# Altium PCB PCB信仰尺V1.0.pcbdoc (part 5 of 6)
Units mil, origin at the board's own origin, x right, y up, seen from the top; angles counter-clockwise.
Board outline 13501.75 x 10176.26 mil, 2 copper layers (Top Layer, Bottom Layer); 258 components, 187 nets, 2051 pads, 0 vias.
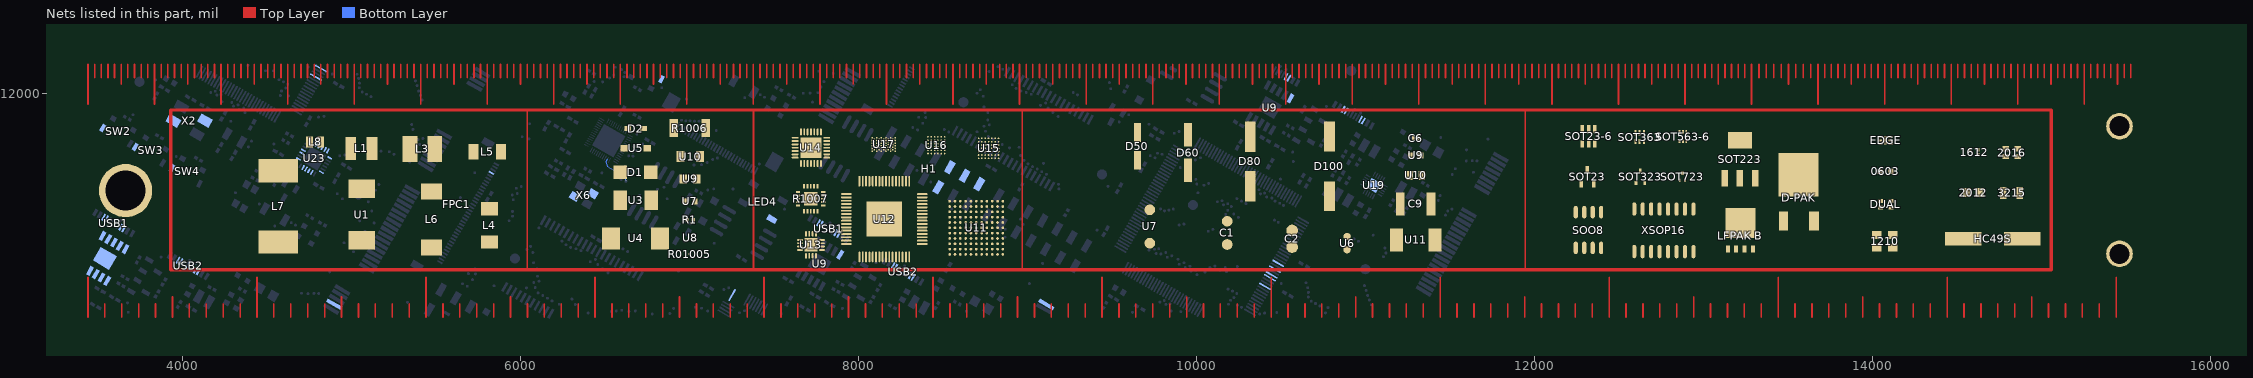
[diagram p5: the nets of this part, all layers, seen from the top]

## Nets (pads, with @x,y where several pads share a name; then routed paths per layer and width w, separated by ;. In a path a pad name is that pad's centre, name@x,y a point inside that pad or via, vN(x,y) a via of type N, cw(c..) or ccw(c..) an arc to the next point about the centre after c; other vN are vias at no path point) (continued)
"": 0603.1 0603.2 1210.1 1210.2 1210.3 1210.4 1612.2 1612.3 1612.4 2012.1 2012.2 2016.1 2016.2 2016.3 2016.4 3215.1 3215.2 "LFPAK B.1" "LFPAK B.2" "LFPAK B.3" "LFPAK B.4" "LFPAK B.5" C1.1@10182.16,11241.76 C1.2@10182.16,11103.96 C2.1@10566.49,11187.11 C2.2@10566.49,11088.69 C6.1@11283.74,11733.86 C6.2@11311.74,11733.86 C9.1@11206.5,11344.11 C9.2@11388.98,11344.11 D1.1@6590.66,11531.86 D1.2@6771.76,11531.86 D2.1 D2.2 D50.1 D50.2 D60.1 D60.2 D80.1 D80.2 D100.1 D100.2 D-PAK.1 D-PAK.3 D-PAK.4 DUAL.1 DUAL.2 DUAL.3 DUAL.4 EDGE.1 EDGE.2 EDGE.3 EDGE.4 EDGE.5 EDGE.6 EDGE.7 FPC1.32 H1.9 H1.10 H1.11 H1.13 HC49S.1 HC49S.2 L1.1@4996.76,11672.5 L1.2@5122.74,11672.5 L3.1@5346.87,11669.41 L3.2@5493.91,11669.41 L4.1 L4.2 L5.1 L5.2 L6.1 L6.2 L7.1 L7.2 L8.1 L8.2 LED4.2 pad.2@3453.49,10948.18 pad.3@3487.59,10928.49 pad.3@6835.97,12081.86 pad.4@3521.68,10908.81 pad.5@3555.78,10889.12 pad.6@3664.04,11076.65 pad.7@3629.95,11096.33 pad.8@3595.85,11116.02 pad.9@3561.76,11135.7 pad.10@3527.66,11155.39 pad.11@3541.72,11022.25 pad.13@4790.8,12094.35 pad.13@10405.84,10856.24 pad.16@4820.33,12145.5 pad.16@10435.37,10907.38 pad.17@3664.75,11422.86 pad.17@10445.21,10924.43 pad.17@15461.75,11048.86 pad.17@15461.75,11803.86 pad.19@4898.48,10750.86 pad.19@9112.48,10748.86 pad.19@10464.9,10958.52 pad.21@10484.58,10992.62 pad.138@7253.39,10804.86 pad.A5 pad.A8 pad.B5 pad.B8 R1.1@6986.91,11249.86 R1.2@7020.99,11249.86 R01005.1 R01005.2 R1006.1 R1006.2 R1007.1 R1007.2 R1007.3 R1007.4 R1007.5 R1007.6 R1007.7 R1007.8 R1007.9 R1007.10 R1007.11 R1007.12 R1007.13 R1007.14 R1007.15 R1007.16 R1007.17 R1007.18 R1007.19 R1007.20 R1007.21 SOO8.1 SOO8.2 SOO8.3 SOO8.4 SOO8.5 SOO8.6 SOO8.7 SOO8.8 SOT23-6.1 SOT23-6.2 SOT23-6.3 SOT23-6.4 SOT23-6.5 SOT23-6.6 SOT23.1 SOT23.2 SOT23.3 SOT223.1 SOT223.2 SOT223.3 SOT223.4 SOT323.1 SOT323.2 SOT323.3 SOT363.1 SOT363.2 SOT363.3 SOT363.4 SOT363.5 SOT363.6 SOT563-6.1 SOT563-6.2 SOT563-6.3 SOT563-6.4 SOT563-6.5 SOT563-6.6 SOT723.1 SOT723.2 SOT723.3 SW2.3 SW3.3 SW4.3 U1.1 U1.2 U3.1 U3.2 U4.1@6537.42,11139.7 U4.2 U5.1@6614.24,11673.86 U5.2 U6.1 U6.2 U7.1 U7.2 U8.1 U8.2 U9.1@6964.83,11492.33 U9.1@11326.29,11630.9 U9.2@7043.57,11492.33 U9.2@11269.2,11630.9 U9.5 U10.1 U10.2 U11.1 U11.2 U11.A1 U11.A2 U11.A3 U11.A4 U11.A5 U11.A6 U11.A7 U11.A8 U11.A9 U11.A10 U11.A11 U11.B1 U11.B2 U11.B3 U11.B4 U11.B5 U11.B6 U11.B7 U11.B8 U11.B9 U11.B10 U11.B11 U11.C1 U11.C2 U11.C3 U11.C4 U11.C5 U11.C6 U11.C7 U11.C8 U11.C9 U11.C10 U11.C11 U11.D1 U11.D2 U11.D3 U11.D4 U11.D5 U11.D6 U11.D7 U11.D8 U11.D9 U11.D10 U11.D11 U11.E1 U11.E2 U11.E3 U11.E4 U11.E5 U11.E6 U11.E7 U11.E8 U11.E9 U11.E10 U11.E11 U11.F1 U11.F2 U11.F3 U11.F4 U11.F5 U11.F6 U11.F7 U11.F8 U11.F9 U11.F10 U11.F11 U11.G1 U11.G2 U11.G3 U11.G4 U11.G5 U11.G6 U11.G7 U11.G8 U11.G9 U11.G10 U11.G11 U11.H1 U11.H2 U11.H3 U11.H4 U11.H5 U11.H6 U11.H7 U11.H8 U11.H9 U11.H10 U11.H11 U11.J1 U11.J2 U11.J3 U11.J4 U11.J5 U11.J6 U11.J7 U11.J8 U11.J9 U11.J10 U11.J11 U11.K1 U11.K2 U11.K3 U11.K4 U11.K5 U11.K6 U11.K7 U11.K8 U11.K9 U11.K10 U11.K11 U11.L1 U11.L2 U11.L3 U11.L4 U11.L5 U11.L6 U11.L7 U11.L8 U11.L9 U11.L10 U11.L11 U12.1 U12.2 U12.3 U12.4 U12.5 U12.6 U12.7 U12.8 U12.9 U12.10 U12.11 U12.12 U12.13 U12.14 U12.15 U12.16 U12.17 U12.18 U12.19 U12.20 U12.21 U12.22 U12.23 U12.24 U12.25 U12.26 U12.27 U12.28 U12.29 U12.30 U12.31 U12.32 U12.33 U12.34 U12.35 U12.36 U12.37 U12.38 U12.39 U12.40 U12.41 U12.42 U12.43 U12.44 U12.45 U12.46 U12.47 U12.48 U12.49 U12.50 U12.51 U12.52 U12.53 U12.54 U12.55 U12.56 U12.57 U12.58 U12.59 U12.60 U12.61 U12.62 U12.63 U12.64 U12.65 U13.1 U13.2 U13.3 U13.4 U13.5 U13.6 U13.7 U13.8 U13.9 U13.10 U13.11 U13.12 U13.13 U13.14 U13.15 U13.16 U13.17 U14.1 U14.2 U14.3 U14.4 U14.5 U14.6 U14.7 U14.8 U14.9 U14.10 U14.11 U14.12 U14.13 U14.14 U14.15 U14.16 U14.17 U14.18 U14.19 U14.20 U14.21 U14.22 U14.23 U14.24 U14.25 U14.26 U14.27 U14.28 U14.29 U15.A1 U15.A2 U15.A3 U15.A4 U15.A5 U15.A6 U15.A7 U15.B1 U15.B2 U15.B3 U15.B4 U15.B5 U15.B6 U15.B7 U15.C1 U15.C2 U15.C3 U15.C4 U15.C5 U15.C6 U15.C7 U15.D1 U15.D2 U15.D3 U15.D5 U15.D6 U15.D7 U15.E1 U15.E2 U15.E3 U15.E4 U15.E5 U15.E6 U15.E7 U15.F1 U15.F2 U15.F3 U15.F4 U15.F5 U15.F6 U15.F7 U15.G1 U15.G2 U15.G3 U15.G4 U15.G5 U15.G6 U15.G7 U16.A1 U16.A2 U16.A3 U16.A4 U16.A5 U16.A6 U16.B1 U16.B2 U16.B3 U16.B4 U16.B5 U16.B6 U16.C1 U16.C2 U16.C3 U16.C4 U16.C5 U16.C6 U16.D1 U16.D2 U16.D3 U16.D4 U16.D5 U16.D6 U16.E1 U16.E2 U16.E3 U16.E4 U16.E5 U16.E6 U16.F1 U16.F2 U16.F3 U16.F4 U16.F5 U16.F6 U17.A1 U17.A3 U17.A5 U17.A7 U17.A9 U17.A11 U17.B2 U17.B4 U17.B6 U17.B8 U17.B10 U17.C1 U17.C3 U17.C5 U17.C7 U17.C9 U17.C11 U17.D2 U17.D4 U17.D6 U17.D8 U17.D10 U17.E1 U17.E3 U17.E5 U17.E7 U17.E9 U17.E11 U17.F2 U17.F4 U17.F6 U17.F8 U17.F10 U17.G1 U17.G3 U17.G5 U17.G7 U17.G9 U17.G11 U17.H2 U17.H4 U17.H6 U17.H8 U17.H10 U17.J1 U17.J3 U17.J5 U17.J7 U17.J9 U17.J11 U17.K2 U17.K4 U17.K6 U17.K8 U17.K10 U17.L1 U17.L3 U17.L5 U17.L7 U17.L9 U17.L11 U19.21 U23.2 U23.3 U23.4 U23.5 U23.6 U23.7 U23.12 U23.14 U23.15 U23.16 U23.17 U23.19 U23.21 U23.22 USB1.A5 USB1.A8 USB1.B5 USB1.B8 USB2.A5 USB2.A8 USB2.B5 USB2.B8 X2.2 X2.4 X6.2 X6.4 XSOP16.1 XSOP16.2 XSOP16.3 XSOP16.4 XSOP16.5 XSOP16.6 XSOP16.7 XSOP16.8 XSOP16.9 XSOP16.10 XSOP16.11 XSOP16.12 XSOP16.13 XSOP16.14 XSOP16.15 XSOP16.16 | length 70436.5
  Top Layer w10: 3442.12,10674.79 3442.12,10911.01 ; 3442.12,11934.64 3442.12,12170.86 ; 3481.49,12092.12 3481.49,12170.86 ; 3520.86,12092.12 3520.86,12170.86 ; 3542.12,10674.79 3542.12,10753.53 ; 3560.23,12092.12 3560.23,12170.86 ; 3599.6,12092.12 3599.6,12170.86 ; 3638.97,12052.75 3638.97,12170.86 ; 3642.12,10674.79 3642.12,10753.53 ; 3678.34,12092.12 3678.34,12170.86 ; 3717.71,12092.12 3717.71,12170.86 ; 3742.12,10674.79 3742.12,10753.53 ; 3757.08,12092.12 3757.08,12170.86 ; 3796.45,12092.12 3796.45,12170.86 ; 3835.82,11934.64 3835.82,12170.86 ; 3842.13,10674.79 3842.13,10753.53 ; 3875.19,12092.12 3875.19,12170.86 ; 3914.56,12092.12 3914.56,12170.86 ; 3942.13,10674.79 3942.13,10792.9 ; 3953.93,12092.12 3953.93,12170.86 ; 3993.3,12092.12 3993.3,12170.86 ; 4032.67,12052.75 4032.67,12170.86 ; 4042.13,10674.79 4042.13,10753.53 ; 4072.04,12092.12 4072.04,12170.86 ; 4111.41,12092.12 4111.41,12170.86 ; 4142.14,10674.79 4142.14,10753.53 ; 4150.78,12092.12 4150.78,12170.86 ; 4190.15,12092.12 4190.15,12170.86 ; 4229.52,11934.64 4229.52,12170.86 ; 4242.14,10674.79 4242.14,10753.53 ; 4268.89,12092.12 4268.89,12170.86 ; 4308.26,12092.12 4308.26,12170.86 ; 4342.14,10674.79 4342.14,10753.53 ; 4347.63,12092.12 4347.63,12170.86 ; 4387,12092.12 4387,12170.86 ; 4426.37,12052.75 4426.37,12170.86 ; 4442.15,10674.79 4442.15,10911.01 ; 4465.74,12092.12 4465.74,12170.86 ; 4505.11,12092.12 4505.11,12170.86 ; 4542.15,10674.79 4542.15,10753.53 ; 4544.48,12092.12 4544.48,12170.86 ; 4583.85,12092.12 4583.85,12170.86 ; 4623.22,11934.64 4623.22,12170.86 ; 4642.15,10674.79 4642.15,10753.53 ; 4662.59,12092.12 4662.59,12170.86 ; 4701.96,12092.12 4701.96,12170.86 ; 4741.33,12092.12 4741.33,12170.86 ; 4742.15,10674.79 4742.15,10753.53 ; 4780.7,12092.12 4780.7,12170.86 ; 4820.07,12052.75 4820.07,12170.86 ; 4842.15,10674.79 4842.15,10753.53 ; 4859.44,12092.12 4859.44,12170.86 ; 4898.81,12092.12 4898.81,12170.86 ; 4938.18,12092.12 4938.18,12170.86 ; 4942.15,10674.79 4942.15,10792.9 ; 4977.55,12092.12 4977.55,12170.86 ; 5016.92,11934.64 5016.92,12170.86 ; 5042.15,10674.79 5042.15,10753.53 ; 5056.29,12092.12 5056.29,12170.86 ; 5095.66,12092.12 5095.66,12170.86 ; 5135.03,12092.12 5135.03,12170.86 ; 5142.15,10674.79 5142.15,10753.53 ; 5174.4,12092.12 5174.4,12170.86 ; 5213.77,12052.75 5213.77,12170.86 ; 5242.15,10674.79 5242.15,10753.53 ; 5253.14,12092.12 5253.14,12170.86 ; 5292.51,12092.12 5292.51,12170.86 ; 5331.88,12092.12 5331.88,12170.86 ; 5342.15,10674.79 5342.15,10753.53 ; 5371.25,12092.12 5371.25,12170.86 ; 5410.62,11934.64 5410.62,12170.86 ; 5442.15,10674.79 5442.15,10911.01 ; 5449.99,12092.12 5449.99,12170.86 ; 5489.36,12092.12 5489.36,12170.86 ; 5528.73,12092.12 5528.73,12170.86 ; 5542.15,10674.79 5542.15,10753.53 ; 5568.1,12092.12 5568.1,12170.86 ; 5607.47,12052.75 5607.47,12170.86 ; 5642.15,10674.79 5642.15,10753.53 ; 5646.84,12092.12 5646.84,12170.86 ; 5686.21,12092.12 5686.21,12170.86 ; 5725.58,12092.12 5725.58,12170.86 ; 5742.15,10674.79 5742.15,10753.53 ; 5764.95,12092.12 5764.95,12170.86 ; 5804.32,11934.64 5804.32,12170.86 ; 5842.15,10674.79 5842.15,10753.53 ; 5843.69,12092.12 5843.69,12170.86 ; 5883.06,12092.12 5883.06,12170.86 ; 5922.43,12092.12 5922.43,12170.86 ; 5942.15,10674.79 5942.15,10792.9 ; 5961.8,12092.12 5961.8,12170.86 ; 6001.17,12052.75 6001.17,12170.86 ; 6040.54,12092.12 6040.54,12170.86 ; 6041.22,10957.15 6041.22,11902.03 ; 6042.15,10674.79 6042.15,10753.53 ; 6079.91,12092.12 6079.91,12170.86 ; 6119.28,12092.12 6119.28,12170.86 ; 6142.15,10674.79 6142.15,10753.53 ; 6158.65,12092.12 6158.65,12170.86 ; 6198.02,11934.64 6198.02,12170.86 ; 6237.39,12092.12 6237.39,12170.86 ; 6242.15,10674.79 6242.15,10753.53 ; 6276.76,12092.12 6276.76,12170.86 ; 6316.13,12092.12 6316.13,12170.86 ; 6342.15,10674.79 6342.15,10753.53 ; 6355.5,12092.12 6355.5,12170.86 ; 6394.87,12052.75 6394.87,12170.86 ; 6434.24,12092.12 6434.24,12170.86 ; 6442.15,10674.79 6442.15,10911.01 ; 6473.61,12092.12 6473.61,12170.86 ; 6512.98,12092.12 6512.98,12170.86 ; 6542.15,10674.79 6542.15,10753.53 ; 6552.35,12092.12 6552.35,12170.86 ; 6591.72,11934.64 6591.72,12170.86 ; 6631.09,12092.12 6631.09,12170.86 ; 6642.15,10674.79 6642.15,10753.53 ; 6670.46,12092.12 6670.46,12170.86 ; 6709.83,12092.12 6709.83,12170.86 ; 6742.15,10674.79 6742.15,10753.53 ; 6749.2,12092.12 6749.2,12170.86 ; 6788.57,12052.75 6788.57,12170.86 ; 6827.94,12092.12 6827.94,12170.86 ; 6842.15,10674.79 6842.15,10753.53 ; 6867.31,12092.12 6867.31,12170.86 ; 6906.68,12092.12 6906.68,12170.86 ; 6942.15,10674.79 6942.15,10792.9 ; 6946.05,12092.12 6946.05,12170.86 ; 6985.42,11934.64 6985.42,12170.86 ; 7024.79,12092.12 7024.79,12170.86 ; 7042.15,10674.79 7042.15,10753.53 ; 7064.16,12092.12 7064.16,12170.86 ; 7103.53,12092.12 7103.53,12170.86 ; 7142.15,10674.79 7142.15,10753.53 ; 7142.9,12092.12 7142.9,12170.86 ; 7182.27,12052.75 7182.27,12170.86 ; 7221.64,12092.12 7221.64,12170.86 ; 7242.15,10674.79 7242.15,10753.53 ; 7261.01,12092.12 7261.01,12170.86 ; 7300.38,12092.12 7300.38,12170.86 ; 7339.75,12092.12 7339.75,12170.86 ; 7342.15,10674.79 7342.15,10753.53 ; 7379.12,11934.64 7379.12,12170.86 ; 7380.22,10949.77 7380.22,11894.65 ; 7418.49,12092.12 7418.49,12170.86 ; 7442.15,10674.79 7442.15,10911.01 ; 7457.86,12092.12 7457.86,12170.86 ; 7497.23,12092.12 7497.23,12170.86 ; 7536.6,12092.12 7536.6,12170.86 ; 7542.15,10674.79 7542.15,10753.53 ; 7575.97,12052.75 7575.97,12170.86 ; 7615.34,12092.12 7615.34,12170.86 ; 7642.15,10674.79 7642.15,10753.53 ; 7654.71,12092.12 7654.71,12170.86 ; 7694.08,12092.12 7694.08,12170.86 ; 7733.45,12092.12 7733.45,12170.86 ; 7742.15,10674.79 7742.15,10753.53 ; 7772.82,11934.64 7772.82,12170.86 ; 7812.19,12092.12 7812.19,12170.86 ; 7842.15,10674.79 7842.15,10753.53 ; 7851.56,12092.12 7851.56,12170.86 ; 7890.93,12092.12 7890.93,12170.86 ; 7930.3,12092.12 7930.3,12170.86 ; 7942.15,10674.79 7942.15,10792.9 ; 7969.67,12052.75 7969.67,12170.86 ; 8009.04,12092.12 8009.04,12170.86 ; 8042.15,10674.79 8042.15,10753.53 ; 8048.41,12092.12 8048.41,12170.86 ; 8087.78,12092.12 8087.78,12170.86 ; 8127.15,12092.12 8127.15,12170.86 ; 8142.15,10674.79 8142.15,10753.53 ; 8166.52,11934.64 8166.52,12170.86 ; 8205.89,12092.12 8205.89,12170.86 ; 8242.15,10674.79 8242.15,10753.53 ; 8245.26,12092.12 8245.26,12170.86 ; 8284.64,12092.12 8284.64,12170.86 ; 8324,12092.12 8324,12170.86 ; 8342.15,10674.79 8342.15,10753.53 ; 8363.38,12052.75 8363.38,12170.86 ; 8402.75,12092.12 8402.75,12170.86 ; 8442.12,12092.12 8442.12,12170.86 ; 8442.15,10674.79 8442.15,10911.01 ; 8481.49,12092.12 8481.49,12170.86 ; 8520.86,12092.12 8520.86,12170.86 ; 8542.15,10674.79 8542.15,10753.53 ; 8560.23,11934.64 8560.23,12170.86 ; 8599.6,12092.12 8599.6,12170.86 ; 8638.97,12092.12 8638.97,12170.86 ; 8642.15,10674.79 8642.15,10753.53 ; 8678.34,12092.12 8678.34,12170.86 ; 8717.71,12092.12 8717.71,12170.86 ; 8742.15,10674.79 8742.15,10753.53 ; 8757.08,12052.75 8757.08,12170.86 ; 8796.45,12092.12 8796.45,12170.86 ; 8835.82,12092.12 8835.82,12170.86 ; 8842.15,10674.79 8842.15,10753.53 ; 8875.19,12092.12 8875.19,12170.86 ; 8914.56,12092.12 8914.56,12170.86 ; 8942.15,10674.79 8942.15,10792.9 ; 8953.93,11934.64 8953.93,12170.86 ; 8966.7,10950.98 8968.91,10953.19 8968.91,11895.86 ; 8993.3,12092.12 8993.3,12170.86 ; 9032.67,12092.12 9032.67,12170.86 ; 9042.15,10674.79 9042.15,10753.53 ; 9072.04,12092.12 9072.04,12170.86 ; 9111.41,12092.12 9111.41,12170.86 ; 9142.15,10674.79 9142.15,10753.53 ; 9150.78,12052.75 9150.78,12170.86 ; 9190.15,12092.12 9190.15,12170.86 ; 9229.52,12092.12 9229.52,12170.86 ; 9242.15,10674.79 9242.15,10753.53 ; 9268.89,12092.12 9268.89,12170.86 ; 9308.26,12092.12 9308.26,12170.86 ; 9342.15,10674.79 9342.15,10753.53 ; 9347.63,11934.64 9347.63,12170.86 ; 9387,12092.12 9387,12170.86 ; 9426.37,12092.12 9426.37,12170.86 ; 9442.15,10674.79 9442.15,10911.01 ; 9465.74,12092.12 9465.74,12170.86 ; 9505.11,12092.12 9505.11,12170.86 ; 9542.15,10674.79 9542.15,10753.53 ; 9544.48,12052.75 9544.48,12170.86 ; 9583.85,12092.12 9583.85,12170.86 ; 9623.22,12092.12 9623.22,12170.86 ; 9642.15,10674.79 9642.15,10753.53 ; 9662.59,12092.12 9662.59,12170.86 ; 9701.96,12092.12 9701.96,12170.86 ; 9741.33,11934.64 9741.33,12170.86 ; 9742.15,10674.79 9742.15,10753.53 ; 9780.7,12092.12 9780.7,12170.86 ; 9820.07,12092.12 9820.07,12170.86 ; 9842.15,10674.79 9842.15,10753.53 ; 9859.44,12092.12 9859.44,12170.86 ; 9898.81,12092.12 9898.81,12170.86 ; 9938.18,12052.75 9938.18,12170.86 ; 9942.15,10674.79 9942.15,10792.9 ; 9977.55,12092.12 9977.55,12170.86 ; 10016.92,12092.12 10016.92,12170.86 ; 10042.15,10674.79 10042.15,10753.53 ; 10056.29,12092.12 10056.29,12170.86 ; 10095.66,12092.12 10095.66,12170.86 ; 10135.03,11934.64 10135.03,12170.86 ; 10142.15,10674.79 10142.15,10753.53 ; 10174.4,12092.12 10174.4,12170.86 ; 10213.77,12092.12 10213.77,12170.86 ; 10242.15,10674.79 10242.15,10753.53 ; 10253.14,12092.12 10253.14,12170.86 ; 10292.51,12092.12 10292.51,12170.86 ; 10331.88,12052.75 10331.88,12170.86 ; 10342.15,10674.79 10342.15,10753.53 ; 10371.25,12092.12 10371.25,12170.86 ; 10410.62,12092.12 10410.62,12170.86 ; 10442.15,10674.79 10442.15,10911.01 ; 10449.99,12092.12 10449.99,12170.86 ; 10489.36,12092.12 10489.36,12170.86 ; 10528.73,11934.64 10528.73,12170.86 ; 10542.15,10674.79 10542.15,10753.53 ; 10568.1,12092.12 10568.1,12170.86 ; 10607.47,12092.12 10607.47,12170.86 ; 10642.15,10674.79 10642.15,10753.53 ; 10646.84,12092.12 10646.84,12170.86 ; 10686.21,12092.12 10686.21,12170.86 ; 10725.58,12052.75 10725.58,12170.86 ; 10742.15,10674.79 10742.15,10753.53 ; 10764.95,12092.12 10764.95,12170.86 ; 10804.32,12092.12 10804.32,12170.86 ; 10842.15,10674.79 10842.15,10753.53 ; 10843.69,12092.12 10843.69,12170.86 ; 10883.06,12092.12 10883.06,12170.86 ; 10922.43,11934.64 10922.43,12170.86 ; 10942.15,10674.79 10942.15,10792.9 ; 10961.8,12092.12 10961.8,12170.86 ; 11001.17,12092.12 11001.17,12170.86 ; 11040.54,12092.12 11040.54,12170.86 ; 11042.15,10674.79 11042.15,10753.53 ; 11079.91,12092.12 11079.91,12170.86 ; 11119.28,12052.75 11119.28,12170.86 ; 11142.15,10674.79 11142.15,10753.53 ; 11158.65,12092.12 11158.65,12170.86 ; 11198.02,12092.12 11198.02,12170.86 ; 11237.39,12092.12 11237.39,12170.86 ; 11242.15,10674.79 11242.15,10753.53 ; 11276.76,12092.12 11276.76,12170.86 ; 11316.13,11934.64 11316.13,12170.86 ; 11342.15,10674.79 11342.15,10753.53 ; 11355.5,12092.12 11355.5,12170.86 ; 11394.87,12092.12 11394.87,12170.86 ; 11434.24,12092.12 11434.24,12170.86 ; 11442.15,10674.79 11442.15,10911.01 ; 11473.61,12092.12 11473.61,12170.86 ; 11512.98,12052.75 11512.98,12170.86 ; 11542.15,10674.79 11542.15,10753.53 ; 11552.35,12092.12 11552.35,12170.86 ; 11591.72,12092.12 11591.72,12170.86 ; 11631.09,12092.12 11631.09,12170.86 ; 11642.15,10674.79 11642.15,10753.53 ; 11670.46,12092.12 11670.46,12170.86 ; 11709.83,11934.64 11709.83,12170.86 ; 11742.15,10674.79 11742.15,10753.53 ; 11749.2,12092.12 11749.2,12170.86 ; 11788.57,12092.12 11788.57,12170.86 ; 11827.94,12092.12 11827.94,12170.86 ; 11842.15,10674.79 11842.15,10753.53 ; 11867.31,12092.12 11867.31,12170.86 ; 11906.68,12052.75 11906.68,12170.86 ; 11942.15,10674.79 11942.15,10792.9 ; 11945.67,10959.19 11945.67,11898.02 11946.5,11898.86 ; 11946.05,12092.12 11946.05,12170.86 ; 11985.42,12092.12 11985.42,12170.86 ; 12024.79,12092.12 12024.79,12170.86 ; 12042.15,10674.79 12042.15,10753.53 ; 12064.16,12092.12 12064.16,12170.86 ; 12103.53,11934.64 12103.53,12170.86 ; 12142.15,10674.79 12142.15,10753.53 ; 12142.9,12092.12 12142.9,12170.86 ; 12182.27,12092.12 12182.27,12170.86 ; 12221.64,12092.12 12221.64,12170.86 ; 12242.15,10674.79 12242.15,10753.53 ; 12261.01,12092.12 12261.01,12170.86 ; 12300.38,12052.75 12300.38,12170.86 ; 12339.75,12092.12 12339.75,12170.86 ; 12342.15,10674.79 12342.15,10753.53 ; 12379.12,12092.12 12379.12,12170.86 ; 12418.49,12092.12 12418.49,12170.86 ; 12442.15,10674.79 12442.15,10911.01 ; 12457.86,12092.12 12457.86,12170.86 ; 12497.23,11934.64 12497.23,12170.86 ; 12536.6,12092.12 12536.6,12170.86 ; 12542.15,10674.79 12542.15,10753.53 ; 12575.97,12092.12 12575.97,12170.86 ; 12615.34,12092.12 12615.34,12170.86 ; 12642.15,10674.79 12642.15,10753.53 ; 12654.71,12092.12 12654.71,12170.86 ; 12694.08,12052.75 12694.08,12170.86 ; 12733.45,12092.12 12733.45,12170.86 ; 12742.15,10674.79 12742.15,10753.53 ; 12772.82,12092.12 12772.82,12170.86 ; 12812.19,12092.12 12812.19,12170.86 ; 12842.15,10674.79 12842.15,10753.53 ; 12851.56,12092.12 12851.56,12170.86 ; 12890.93,11934.64 12890.93,12170.86 ; 12930.3,12092.12 12930.3,12170.86 ; 12942.15,10674.79 12942.15,10792.9 ; 12969.67,12092.12 12969.67,12170.86 ; 13009.04,12092.12 13009.04,12170.86 ; 13042.15,10674.79 13042.15,10753.53 ; 13048.41,12092.12 13048.41,12170.86 ; 13087.78,12052.75 13087.78,12170.86 ; 13127.15,12092.12 13127.15,12170.86 ; 13142.15,10674.79 13142.15,10753.53 ; 13166.52,12092.12 13166.52,12170.86 ; 13205.89,12092.12 13205.89,12170.86 ; 13242.15,10674.79 13242.15,10753.53 ; 13245.26,12092.12 13245.26,12170.86 ; 13284.64,11934.64 13284.64,12170.86 ; 13328.38,12092.12 13328.38,12170.86 ; 13342.15,10674.79 13342.15,10753.53 ; 13372.12,12092.12 13372.12,12170.86 ; 13415.87,12092.12 13415.87,12170.86 ; 13442.15,10674.79 13442.15,10911.01 ; 13459.61,12092.12 13459.61,12170.86 ; 13503.36,12052.75 13503.36,12170.86 ; 13542.15,10674.79 13542.15,10753.53 ; 13547.1,12092.12 13547.1,12170.86 ; 13590.85,12092.12 13590.85,12170.86 ; 13634.59,12092.12 13634.59,12170.86 ; 13642.15,10674.79 13642.15,10753.53 ; 13678.34,11934.64 13678.34,12170.86 ; 13717.71,12092.12 13717.71,12170.86 ; 13742.15,10674.79 13742.15,10753.53 ; 13757.08,12092.12 13757.08,12170.86 ; 13796.45,12092.12 13796.45,12170.86 ; 13835.82,12092.12 13835.82,12170.86 ; 13842.15,10674.79 13842.15,10753.53 ; 13875.19,12052.75 13875.19,12170.86 ; 13914.56,12092.12 13914.56,12170.86 ; 13942.15,10674.79 13942.15,10792.9 ; 13953.93,12092.12 13953.93,12170.86 ; 13993.3,12092.12 13993.3,12170.86 ; 14032.67,12092.12 14032.67,12170.86 ; 14042.15,10674.79 14042.15,10753.53 ; 14072.04,11934.64 14072.04,12170.86 ; 14111.41,12092.12 14111.41,12170.86 ; 14142.15,10674.79 14142.15,10753.53 ; 14150.78,12092.12 14150.78,12170.86 ; 14190.15,12092.12 14190.15,12170.86 ; 14229.52,12092.12 14229.52,12170.86 ; 14242.15,10674.79 14242.15,10753.53 ; 14268.89,12052.75 14268.89,12170.86 ; 14308.26,12092.12 14308.26,12170.86 ; 14342.15,10674.79 14342.15,10753.53 ; 14347.63,12092.12 14347.63,12170.86 ; 14387,12092.12 14387,12170.86 ; 14426.37,12092.12 14426.37,12170.86 ; 14442.15,10674.79 14442.15,10911.01 ; 14465.74,11934.64 14465.74,12170.86 ; 14505.11,12092.12 14505.11,12170.86 ; 14542.15,10674.79 14542.15,10753.53 ; 14544.48,12092.12 14544.48,12170.86 ; 14583.85,12092.12 14583.85,12170.86 ; 14623.22,12092.12 14623.22,12170.86 ; 14642.15,10674.79 14642.15,10753.53 ; 14662.59,12052.75 14662.59,12170.86 ; 14701.96,12092.12 14701.96,12170.86 ; 14741.33,12092.12 14741.33,12170.86 ; 14742.15,10674.79 14742.15,10753.53 ; 14780.7,12092.12 14780.7,12170.86 ; 14820.07,12092.12 14820.07,12170.86 ; 14842.15,10674.79 14842.15,10753.53 ; 14859.44,11934.64 14859.44,12170.86 ; 14898.81,12092.12 14898.81,12170.86 ; 14938.18,12092.12 14938.18,12170.86 ; 14942.15,10674.79 14942.15,10792.9 ; 14977.55,12092.12 14977.55,12170.86 ; 15016.92,12092.12 15016.92,12170.86 ; 15042.15,10674.79 15042.15,10753.53 ; 15056.29,12052.75 15056.29,12170.86 ; 15095.66,12092.12 15095.66,12170.86 ; 15135.03,12092.12 15135.03,12170.86 ; 15142.15,10674.79 15142.15,10753.53 ; 15174.4,12092.12 15174.4,12170.86 ; 15213.77,12092.12 15213.77,12170.86 ; 15242.15,10674.79 15242.15,10753.53 ; 15253.14,11934.64 15253.14,12170.86 ; 15292.51,12092.12 15292.51,12170.86 ; 15331.88,12092.12 15331.88,12170.86 ; 15342.15,10674.79 15342.15,10753.53 ; 15371.25,12092.12 15371.25,12170.86 ; 15410.62,12092.12 15410.62,12170.86 ; 15442.15,10674.75 15442.15,10910.97 ; 15449.99,12052.75 15449.99,12170.86 ; 15489.36,12092.12 15489.36,12170.86 ; 15528.73,12092.12 15528.73,12170.86
  Top Layer w19.68: 3931.73,10955.05 15058.5,10955.05 15058.5,11899.93 3931.73,11899.93 3931.73,10955.05
  Bottom Layer w5.98: 6515.46,11608.49 6506.72,11593.34 6513.82,11566.81 6616.89,11507.31 6624.86,11477.59

## Polygon pours and split planes (outlines as drawn)
GND on Bottom Layer (solid, remove dead copper, pour order 0): 3369.65,10626.64 10996.29,10626.64 10996.29,12268.57 3369.65,12268.57
GND on Bottom Layer (solid, remove dead copper, pour order 1): 10213.19,11134.06 11805.04,11134.06 11805.04,11746.66 10213.19,11746.66

## Keep-outs
Bottom Layer:
  region net "": 5673.54,11765.53 6249.07,11765.53 6249.07,12100.01 5673.54,12100.01
  region net "": 5399.62,11956.15 5347.01,11986.52 5258.61,11962.84 5244.97,12013.74 5248.66,12020.14 5255.81,12032.52 5315.89,12048.61 5345.18,12056.46 5368.51,12042.99 5371.75,12040.86 5399.75,11955.86
  region net "": 4935.28,11187.18 4951.17,11127.86 4954.22,11126.1 4962.48,11128.31 4965.58,11133.67 4951.55,11186.04 4949.04,11187.49 4945.04,11189.8
  region net "": 7651.32,12072.07 7667.22,12012.74 7670.27,12010.98 7678.53,12013.2 7681.62,12018.56 7667.59,12070.93 7665.08,12072.38 7661.08,12074.69
Board Outline Layer:
  lines w10 net "": 3402.75,10714.12 ccw(c3442.12,10714.12) 3442.12,10674.75 15961.8,10674.75 ccw(c15961.8,10714.12) 16001.17,10714.12 16001.17,12131.44 ccw(c15961.8,12131.44) 15961.8,12170.81 3442.12,12170.81 ccw(c3442.12,12131.44) 3402.75,12131.44 3402.75,10714.12

## Other copper
Top Layer:
  region net "": 15762.72,11047.22 15998.94,11047.22 15998.94,11086.59 15762.72,11086.59
  region net "": 15762.72,11211.31 15998.94,11211.31 15998.94,11250.68 15762.72,11250.68
  region net "": 15762.72,11156.62 15998.94,11156.62 15998.94,11195.99 15762.72,11195.99
  region net "": 15762.72,11101.92 15998.94,11101.92 15998.94,11141.29 15762.72,11141.29
  region net "": 15762.72,10992.52 15998.94,10992.52 15998.94,11031.89 15762.72,11031.89
  region net "": 15762.72,10937.82 15998.94,10937.82 15998.94,10977.19 15762.72,10977.19
  region net "": 15762.72,10883.12 15998.94,10883.12 15998.94,10922.49 15762.72,10922.49
  region net "": 15762.72,12086.49 15998.94,12086.49 15998.94,12125.86 15762.72,12125.86
  region net "": 15762.72,12031.79 15998.94,12031.79 15998.94,12071.16 15762.72,12071.16
  region net "": 15762.72,11977.09 15998.94,11977.09 15998.94,12016.46 15762.72,12016.46
  region net "": 15762.72,11758.3 15998.94,11758.3 15998.94,11797.67 15762.72,11797.67
  region net "": 15762.72,11922.39 15998.94,11922.39 15998.94,11961.76 15762.72,11961.76
  region net "": 15762.72,11867.69 15998.94,11867.69 15998.94,11907.06 15762.72,11907.06
  region net "": 15762.72,11813 15998.94,11813 15998.94,11852.37 15762.72,11852.37
  region net "": 15762.72,10719.03 15998.94,10719.03 15998.94,10758.4 15762.72,10758.4
  region net "": 15762.72,10773.73 15998.94,10773.73 15998.94,10813.1 15762.72,10813.1
  region net "": 15762.72,10828.43 15998.94,10828.43 15998.94,10867.8 15762.72,10867.8
  region net "": 15762.72,11703.6 15998.94,11703.6 15998.94,11742.97 15762.72,11742.97
  region net "": 15762.72,11648.9 15998.94,11648.9 15998.94,11688.27 15762.72,11688.27
  region net "": 15762.72,11594.2 15998.94,11594.2 15998.94,11633.57 15762.72,11633.57
  region net "": 15762.72,11539.5 15998.94,11539.5 15998.94,11578.87 15762.72,11578.87
  region net "": 15762.72,11484.81 15998.94,11484.81 15998.94,11524.18 15762.72,11524.18
  region net "": 15762.72,11430.11 15998.94,11430.11 15998.94,11469.48 15762.72,11469.48
  region net "": 15762.72,11375.41 15998.94,11375.41 15998.94,11414.78 15762.72,11414.78
  region net "": 15762.72,11320.71 15998.94,11320.71 15998.94,11360.08 15762.72,11360.08
  region net "": 15762.72,11266.01 15998.94,11266.01 15998.94,11305.38 15762.72,11305.38
Bottom Layer:
  region net 3V3: 3472.63,12112.7 3568.87,12112.7 3568.87,12130.98 3472.63,12130.98
  region net 3V3: 3520.86,12102.87 3574.11,12102.87 3574.11,12111.01 3520.86,12111.01
  region net VDDA: 3831.17,11994.82 3929.65,11994.82 3929.65,12092.94 3831.17,12092.94
  region net VCC3.3M: 4885.6,12054.64 4948,12054.64 4948,12096.66 4885.6,12096.66
  region net RESET: 6964.34,11256.9 7116.74,11256.9 7116.74,11283.8 6964.34,11283.8
  region net VCC3.3M: 7290.22,10979.96 7351.24,10979.96 7351.24,11011.79 7290.22,11011.79
  region net VCC3.3M: 7533.96,10758.23 7594.91,10758.23 7594.91,10759.95 7533.96,10759.95
  region net 5V-OUT: 7690.4,10790.02 7745.73,10790.02 7745.73,10814.35 7690.4,10814.35
  region net 2.8V: 8227.11,10748.59 8344.6,10748.59 8344.6,10775.32 8227.11,10775.32
  region net GPIO0: 6689.02,11845.82 6744.52,11845.82 6744.52,11851.5 6689.02,11851.5
  region net 3V3: 5423.47,10692.78 5569.98,10692.78 5569.98,10863 5423.47,10863
  region net VCC3.3M: 3497.41,10691.93 3503.46,10691.93 3503.46,10747.43 3497.41,10747.43
  region net 5V-OUT: 3460.4,10823.02 3515.73,10823.02 3515.73,10847.35 3460.4,10847.35
  region net 2.8V: 3997.11,10781.59 4114.6,10781.59 4114.6,10808.32 3997.11,10808.32
  region net VDDA: 9446.21,10756.7 9544.69,10756.7 9544.69,10854.83 9446.21,10854.83
  region net RESET: 9544.42,11960.9 9689.74,11960.9 9689.74,12000.06 9544.42,12000.06
  region net VCC3.3M: 9954.22,11904.96 10015.24,11904.96 10015.24,11936.79 9954.22,11936.79
  region net VCC3.3M: 10389.09,11566.47 10444.59,11566.47 10444.59,11572.52 10389.09,11572.52
  region net VCC3.3M: 10197.96,11683.23 10258.91,11683.23 10258.91,11684.95 10197.96,11684.95
  region net 5V-OUT: 10354.4,11715.02 10409.73,11715.02 10409.73,11739.35 10354.4,11739.35
  region net VCC3.3M: 10583.91,10994.98 10639.58,10994.98 10639.58,11000.84 10583.91,11000.84
  region net 1.2V: 10760.25,11421.63 10875.71,11421.63 10875.71,11443.06 10760.25,11443.06
  region net VCC3.3M: 10632.31,11443.05 10687.27,11443.05 10687.27,11448.96 10632.31,11448.96
  region net VCC3.3M: 10500.64,10816.52 10563.04,10816.52 10563.04,10858.55 10500.64,10858.55
  region net 3V3: 11254.32,11402.09 11363.5,11402.09 11363.5,11421.02 11254.32,11421.02
  region net 2.8V: 10891.11,11673.59 11008.6,11673.59 11008.6,11700.32 10891.11,11700.32
  region net 3V3: 9051.11,11221.3 9152.24,11221.3 9152.24,11257.02 9051.11,11257.02
  region net 3V3: 9036.66,10906.58 9142.92,10906.58 9142.92,10930.65 9036.66,10930.65
  region net 3V3: 9094.9,10896.75 9233.85,10896.75 9233.85,11053.33 9094.9,11053.33
  region net 3V3: 8087.47,11617.78 8233.98,11617.78 8233.98,11788 8087.47,11788
  region net "": 15762.72,12086.49 15998.94,12086.49 15998.94,12125.86 15762.72,12125.86
  region net "": 15762.72,12031.79 15998.94,12031.79 15998.94,12071.16 15762.72,12071.16
  region net "": 15762.72,11977.09 15998.94,11977.09 15998.94,12016.46 15762.72,12016.46
  region net "": 15762.72,11922.39 15998.94,11922.39 15998.94,11961.76 15762.72,11961.76
  region net "": 15762.72,11867.69 15998.94,11867.69 15998.94,11907.06 15762.72,11907.06
  region net "": 15762.72,11813 15998.94,11813 15998.94,11852.37 15762.72,11852.37
  region net "": 15762.72,11758.3 15998.94,11758.3 15998.94,11797.67 15762.72,11797.67
  region net "": 15762.72,11703.6 15998.94,11703.6 15998.94,11742.97 15762.72,11742.97
  region net "": 15762.72,11648.9 15998.94,11648.9 15998.94,11688.27 15762.72,11688.27
  region net "": 15762.72,11594.2 15998.94,11594.2 15998.94,11633.57 15762.72,11633.57
  region net "": 15762.72,11539.5 15998.94,11539.5 15998.94,11578.87 15762.72,11578.87
  region net "": 15762.72,11484.81 15998.94,11484.81 15998.94,11524.18 15762.72,11524.18
  region net "": 15762.72,11430.11 15998.94,11430.11 15998.94,11469.48 15762.72,11469.48
  region net "": 15762.72,11375.41 15998.94,11375.41 15998.94,11414.78 15762.72,11414.78
  region net "": 15762.72,11320.71 15998.94,11320.71 15998.94,11360.08 15762.72,11360.08
  region net "": 15762.72,11266.01 15998.94,11266.01 15998.94,11305.38 15762.72,11305.38
  region net "": 15762.72,11211.31 15998.94,11211.31 15998.94,11250.68 15762.72,11250.68
  region net "": 15762.72,11156.62 15998.94,11156.62 15998.94,11195.99 15762.72,11195.99
  region net "": 15762.72,11101.92 15998.94,11101.92 15998.94,11141.29 15762.72,11141.29
  region net "": 15762.72,11047.22 15998.94,11047.22 15998.94,11086.59 15762.72,11086.59
  region net "": 15762.72,10992.52 15998.94,10992.52 15998.94,11031.89 15762.72,11031.89
  region net "": 15762.72,10937.82 15998.94,10937.82 15998.94,10977.19 15762.72,10977.19
  region net "": 15762.72,10883.12 15998.94,10883.12 15998.94,10922.49 15762.72,10922.49
  region net "": 15762.72,10828.43 15998.94,10828.43 15998.94,10867.8 15762.72,10867.8
  region net "": 15762.72,10773.73 15998.94,10773.73 15998.94,10813.1 15762.72,10813.1
  region net "": 15762.72,10719.03 15998.94,10719.03 15998.94,10758.4 15762.72,10758.4
  region net "": 15440.51,11158.67 15479.88,11158.67 15479.88,11688.89 15440.51,11688.89
  region net 3V3: 4717.67,11490.27 4741.3,11496.6 4747.45,11493.05 4780.13,11474.18 4788.2,11476.34 4809.77,11463.89 4810.54,11461 4798.73,11440.55 4796.43,11439.93 4767.85,11456.42 4729.94,11446.26 4724.18,11449.59 4714.67,11485.08
  region net ESP3V3: 6876.53,11849.02 6860.96,11822.05 6863.53,11812.45 6890.51,11796.87 6892.05,11797.29 6918.17,11842.53 6917.82,11843.85 6897.41,11855.63 6877.18,11850.21 6876.52,11849.06
  region net VDD-SDIO: 6715.87,11752.66 6706.76,11736.93 6709.34,11727.32 6722.01,11720 6725.79,11721.01 6755.85,11703.66 6758.25,11704.3 6768.86,11722.68 6768.13,11725.42 6719.48,11753.51
  region net GPIO33: 6990.79,11251.18 6952.04,11273.54 6943.44,11271.24 6901.79,11199.1 6902.45,11196.64 6926.38,11182.82 6928.14,11183.29 6950.06,11221.25 6951.64,11221.68 6977.8,11228.69
  region net VDD-SDIO: 6980.67,11490.61 6971.06,11473.97 6950.22,11468.39 6937.02,11464.85 6929.73,11452.22 6921.96,11438.76 6913.01,11436.37 6909.74,11435.49 6902.8,11439.5 6900.73,11440.69 6899.79,11444.19 6897.88,11451.33 6934.65,11515.01 6935.46,11516.42 6944.55,11518.86 6946.78,11519.46 6957.88,11513.05 6977.73,11501.59
  region net 2.8V: 7322.04,11437.63 7322.35,11435.89 7376.43,11404.67 7377.33,11401.32 7377.62,11400.22 7368.14,11383.79 7365.21,11378.7 7360.67,11377.49 7359.07,11378.41 7359.07,11378.43 7301.14,11411.88 7297.31,11426.15 7382.55,11573.79 7384.2,11574.23 7395.74,11567.56 7366.31,11516.81 7366.6,11514.81 7323.46,11440.09
  region net VCC3.3M: 7138.06,10886.72 7111.34,10840.45 7111.86,10838.52 7138.09,10823.38 7140.92,10824.14 7166.59,10868.61 7165.49,10872.72 7140.24,10887.3
  region net 1.2V: 7401.42,11565.08 7506.32,11504.52 7506.35,11504.37 7508.29,11497.16 7352.95,11228.1 7350.08,11223.13 7341.81,11220.92 7340.76,11220.63 7309.91,11238.45 7307.85,11246.15 7310.79,11251.25 7317.59,11263.02 7332.64,11267.05 7341.74,11269.49 7346.1,11277.04 7463.29,11480.01 7460.92,11488.85 7398.94,11524.64 7394.77,11523.52 7387.74,11511.35 7386.91,11511.13 7375.08,11517.97 7374.69,11519.42 7400.98,11564.96
  region net VCC3.3M: 7415.15,11108.9 7396.93,11119.42 7391.62,11118 7344.94,11037.13 7319.24,11030.25 7307.39,11009.72 7307.89,11007.83 7336.51,10991.31 7339.77,10992.18 7365.95,11037.54 7371.51,11039.03 7429,11005.83 7433.37,11007 7437.48,11008.11 7457.98,11043.62 7471.68,11067.34 7468.87,11077.83 7468.85,11077.9
  region net RESET: 7978.9,10831.22 7939.56,10853.93 7914.9,10847.32 7888.72,10862.44 7913.12,10904.69 7917.54,10905.88 7995.04,10861.13 7995.39,10859.82 7995.4,10859.81
  region net BOOT0: 8069.84,10938.21 8145.16,10894.73 8150.27,10875.65 8134.41,10848.18 8132.04,10847.55 8055.6,10891.68 8051.47,10907.08 8069.37,10938.08
  region net 5V: 7904.31,11124.06 7927.08,11163.5 7926.36,11166.19 7921.9,11181.28 7933.04,11200.08 7973.06,11210.46 8340.73,10998.18 8345.34,10980.98 8337.5,10967.4 8336.65,10965.94 8335.76,10964.38 8347.6,10920.18 8324.77,10880.64 8324.99,10879.84 8344.85,10868.37 8345.42,10868.53 8368.57,10908.62 8363.32,10925.07 8397.79,10984.78 8386.3,11029.09 8367.53,11039.78 8223.67,11122.84 7951.59,11279.92 7931.91,11274.65 7896.58,11213.45 7906.52,11176.35 7883.45,11136.38 7883.93,11134.58 7902.84,11123.66
  region net 2.8V: 8285.45,10783.24 8267.31,10751.81 8263.42,10750.77 8190.78,10792.71 8188.89,10799.78 8211.95,10839.73 8217.16,10841.13 8242.94,10826.24 8244.13,10821.81 8248.79,10804.4
  region net $4N64293: 8733.33,10878.76 8697.96,10817.5 8680.81,10812.9 8647.23,10754.74 8647.75,10752.81 8695.89,10725.02 8700.9,10726.36 8738.43,10791.36 8735.13,10803.7 8767.7,10860.12 8766.88,10863.21 8737.84,10879.97
  region net ESP3V3: 6276.61,11665.21 6264.87,11644.87 6265.33,11643.16 6307.45,11618.84 6315.08,11620.89 6317.65,11621.58 6321.61,11628.43 6356.81,11689.39 6373.1,11693.76 6404.35,11675.71 6405.67,11676.07 6409.99,11683.56 6409.66,11684.82 6370.52,11707.41 6352.72,11702.64 6340.75,11699.43 6315.6,11655.87 6312.64,11650.74 6306.12,11649 6277.59,11665.47
  region net ESP3V3: 6279.19,11575.38 6294.79,11566.37 6319.12,11572.89 6331.14,11576.11 6343.2,11569.15 6344.97,11568.13 6346.49,11562.44 6320.7,11517.77 6316.79,11516.72 6263.38,11547.55 6263.04,11548.82 6278.23,11575.12
  region net ESP3V3: 6338.59,11976 6349.15,11969.91 6360.97,11925.76 6340.19,11889.76 6307.55,11881.01 6261.17,11907.79 6259.96,11912.33 6304.23,11989.01 6312.34,11991.18 6336.67,11977.13 6338.58,11976.03
  region net ESP3V3: 6418.54,11701.76 6389.61,11718.47 6387.87,11724.96 6385.66,11733.19 6366.9,11744.02 6349.94,11753.82 6347.87,11761.54 6334.35,11811.97 6315.95,11822.6 6310.94,11825.49 6310.44,11827.38 6320.65,11845.06 6318.76,11852.08 6311.65,11878.65 6307.55,11881.01 6340.19,11889.76 6335.42,11881.5 6349.26,11829.86 6369.05,11756.01 6395.31,11740.84 6429.57,11721.06 6429.73,11720.46 6419.01,11701.89
  region net ESP3V3: 6558.4,11614.79 6615.46,11581.85 6617.32,11574.93 6644.81,11559.05 6645.18,11557.68 6634.82,11539.75 6633.76,11539.46 6598.03,11560.09 6594.02,11575.06 6591.05,11586.14 6581.6,11591.6 6554.31,11607.36 6554.13,11608.02 6557.98,11614.68
  region net ESP3V3: 6561.73,11790.59 6594.8,11847.87 6593.27,11853.59 6609.11,11881.03 6608.72,11882.52 6591.1,11892.69 6589.21,11892.19 6570.25,11859.34 6577,11834.12 6554.42,11795 6554.56,11794.46 6561.41,11790.51
  region net 3V3: 6487.76,12139.93 6455.54,12084.13 6443.98,12081.03 6419.56,12095.13 6416.66,12105.93 6449.16,12162.22
  region net 3V3: 5870.89,11353.45 5798.69,11395.14 5793.75,11413.58 5791.7,11421.2 5757.19,11441.13 5755.56,11440.69 5753.08,11436.4 5730.27,11396.89 5730.81,11394.87 5731.26,11393.19 5733.5,11391.9 5810.38,11347.52 5813.3,11336.6 5848.82,11316.1 5853.25,11317.28 5871.92,11349.62
  region net VCC3.3M: 6449.77,11151.03 6407.52,11175.43 6402.38,11174.05 6397.11,11164.92 6398.26,11160.64 6400.18,11153.46 6433.93,11133.98 6437.24,11132.07 6440.14,11132.84 6450.04,11150
  region net ESP3V3: 6429.98,12137.13 6420.66,12120.98 6405.49,12116.92 6399.84,12115.4 6332.49,11998.75 6338.59,11976 6339.81,11975.3 6294.28,11896.44 6284.64,11893.86 6262.33,11906.74 6260.81,11912.4 6304.89,11988.75 6300.24,12006.1 6389.42,12160.55
  region net RESET: 3748.9,10864.22 3709.56,10886.93 3684.9,10880.32 3658.72,10895.44 3683.12,10937.69 3687.54,10938.88 3765.04,10894.13 3765.39,10892.82 3765.4,10892.81
  region net BOOT0: 3839.84,10971.21 3915.16,10927.73 3920.27,10908.65 3904.41,10881.18 3902.04,10880.55 3825.6,10924.68 3821.47,10940.08 3839.37,10971.08
  region net 5V: 3674.31,11157.06 3697.08,11196.5 3696.36,11199.19 3691.9,11214.28 3703.04,11233.08 3743.06,11243.46 4110.73,11031.18 4115.34,11013.98 4107.5,11000.4 4106.65,10998.94 4105.76,10997.38 4117.6,10953.18 4094.77,10913.64 4094.99,10912.84 4114.85,10901.37 4115.42,10901.53 4138.57,10941.62 4133.32,10958.07 4167.79,11017.78 4156.3,11062.09 4137.53,11072.78 3993.67,11155.84 3778.61,11280 3669,11250.63 3666.58,11246.45 3676.52,11209.35 3653.45,11169.38 3653.93,11167.58 3672.84,11156.66
  region net 2.8V: 4055.45,10816.24 4037.31,10784.81 4033.42,10783.77 3960.78,10825.71 3958.89,10832.78 3981.95,10872.73 3987.16,10874.13 4012.94,10859.24 4014.13,10854.81 4018.79,10837.4
  region net $4N64293: 4503.33,10955.76 4467.96,10894.5 4450.81,10889.9 4417.23,10831.74 4417.75,10829.81 4465.89,10802.02 4470.9,10803.36 4508.43,10868.36 4505.13,10880.7 4537.7,10937.12 4536.88,10940.21 4507.84,10956.97
  region net VCC3.3M: 9802.06,11811.72 9775.34,11765.45 9775.86,11763.52 9802.09,11748.38 9804.92,11749.14 9830.59,11793.61 9829.49,11797.72 9804.24,11812.3
  region net VCC3.3M: 10079.15,12033.9 10060.93,12044.42 10055.62,12043 10008.94,11962.13 9983.24,11955.25 9971.39,11934.72 9971.89,11932.83 10000.51,11916.31 10003.77,11917.18 10029.95,11962.54 10035.51,11964.03 10093,11930.83 10097.37,11932 10101.48,11933.11 10121.98,11968.62 10135.68,11992.34 10132.87,12002.83 10132.85,12002.9
  region net RESET: 10642.9,11756.22 10603.56,11778.93 10578.9,11772.32 10552.72,11787.44 10577.12,11829.69 10581.54,11830.88 10659.04,11786.13 10659.39,11784.82 10659.4,11784.81
  region net BOOT0: 10733.84,11863.21 10809.16,11819.73 10814.27,11800.65 10798.41,11773.18 10796.04,11772.55 10719.6,11816.68 10715.47,11832.08 10733.37,11863.08
  region net 1.2V: 10816.2,11455.77 10775.47,11479.29 10770.55,11497.66 10836.58,11612.03 10832.86,11625.91 10800.11,11644.82 10796.64,11643.89 10709.87,11493.59 10714.41,11476.63 10715.45,11472.78 10790.07,11429.69 10796.64,11425.9 10799.46,11426.66 10816.22,11455.69
  region net $4N66354: 11005.23,11429.59 10982.13,11389.58 10960.19,11383.71 10931.25,11375.95 10917.56,11352.23 10897.68,11317.8 10893.13,11316.58 10858.06,11336.83 10856.56,11342.43 10899.74,11417.23 10917.25,11421.92 10930.56,11414.23 10946.32,11418.45 10995.54,11431.64 10996.25,11432.87 10996.96,11434.1 10997.51,11434.25 11005.16,11429.83
  region net 5V-OUT: 11032.65,11413.86 10994.61,11347.97 10995.62,11344.22 11069.15,11301.77 11071.06,11294.61 11058.64,11273.09 11051.37,11271.14 10945.2,11332.44 10944.79,11333.98 10961.28,11362.53 10964.31,11363.35 10977.38,11366.85 10994.21,11396 11011.44,11425.84 11012.03,11426 11032.57,11414.14
  region net $4N66343: 10818.87,11558.46 10843.13,11544.45 10863.67,11549.95 10895.78,11531.41 10900.41,11514.14 10949.54,11485.78 10964.47,11489.78 11007.27,11465.07 11007.4,11464.58 11003.32,11457.51 11003.06,11457.44 10965.94,11478.88 10945.56,11473.42 10929.45,11469.1 10915.25,11477.3 10880.48,11497.38 10878.54,11504.61 10840.66,11526.48 10829.69,11523.54 10807.73,11536.22 10807.13,11538.47 10818.64,11558.4
  region net 3V3: 11344.83,11369.75 11424.21,11507.24 11417.55,11532.07 11370.25,11559.38 11361.38,11557 11348.12,11534.03 11352.46,11517.84 11364.54,11472.74 11356.74,11459.24 11334.93,11421.46 11326.97,11419.32 11311.61,11392.73 11312.85,11388.1 11344.7,11369.72
  region net 5V-OUT: 11060.17,11318.13 11090.83,11300.43 11092.61,11293.78 11072.54,11259 11068.57,11257.94 11036.76,11276.31 11035.01,11282.84 11054.51,11316.62
  region net $4N66341: 11048.19,11504.37 11085.56,11569.1 11078.93,11593.84 11068.9,11631.3 11096.19,11678.58 11054.74,11702.51 11051.15,11701.55 11011.3,11632.52 11034.85,11544.65 11043.38,11512.8 11041.2,11509.02 11041.04,11508.75 11041.12,11508.44 11048.18,11504.36
  region net VCC3.3M: 11343.64,11452.3 11280.83,11488.56 11275.05,11510.14 11292.12,11539.71 11307.92,11543.95 11317.95,11546.63 11323.57,11543.39 11336.28,11536.05 11338.24,11528.73 11322.58,11501.6 11324.44,11494.66 11355.57,11476.69 11356.23,11474.25 11356.25,11474.15
  region net $4N66342: 11010.84,11471.02 10971.46,11493.76 10968.04,11506.52 10953.97,11559.03 10932.44,11571.46 10910.85,11565.68 10900.27,11571.78 10883.44,11581.5 10877.25,11604.61 10850.43,11620.09 10849.24,11624.53 10859.23,11641.84 10862.27,11642.65 10887.27,11628.21 10890.53,11616.08 10926.48,11595.32 10937.45,11598.26 10968.23,11580.49 10974.58,11556.8 10982.08,11528.79 10976.83,11519.69 10982.85,11497.23 10987.33,11494.64 11015.06,11478.63 11015.13,11478.38 11010.88,11471.03
  region net 2.8V: 10949.45,11708.24 10931.31,11676.81 10927.42,11675.77 10854.78,11717.71 10852.89,11724.78 10875.95,11764.73 10881.16,11766.13 10906.94,11751.24 10908.13,11746.81 10912.79,11729.4
  region net $4N64293: 11397.33,11803.76 11361.96,11742.5 11344.81,11737.9 11311.23,11679.74 11311.75,11677.81 11359.89,11650.02 11364.9,11651.36 11402.43,11716.36 11399.13,11728.7 11431.7,11785.12 11430.88,11788.21 11401.84,11804.97
  region net 5V-OUT: 11422.05,11689.33 11377.57,11612.29 11305.45,11592.97 11246.86,11577.27 11147.22,11634.8 11107.33,11565.72 11089,11560.81 11054.34,11500.77 11054.47,11500.27 11061.57,11496.18 11061.95,11496.28 11075.46,11488.48 11076.3,11488.7 11102.89,11534.77 11124.13,11540.46 11136.67,11543.82 11150.61,11567.97 11160.63,11570.65 11164.58,11568.38 11173.74,11563.09 11175.19,11557.69 11162.42,11535.57 11157.99,11534.38 11101.41,11519.22 11081.9,11485.43 11082.17,11484.42 11082.66,11484.14 11102.74,11472.54 11103.45,11472.73 11118.2,11498.29 11185.01,11516.19 11204.51,11549.95 11215,11552.77 11232.27,11542.8 11434.65,11597.03 11471.38,11660.65 11470.22,11664.99 11426.15,11690.43
  region net $4N66337: 11105.56,11463.55 11132.17,11448.19 11183.28,11461.88 11199.74,11466.29 11209.05,11482.42 11212.21,11487.9 11214.08,11488.4 11255.17,11464.67 11255.52,11463.38 11213.61,11390.81 11211.16,11390.15 11101.24,11453.61 11100.74,11455.47 11105.38,11463.5
  region net VCC3.3M: 8796.83,11564.13 8837.56,11540.62 8839.14,11534.71 8839.42,11533.68 8833.9,11524.12 8824.48,11521.6 8810.68,11529.56 8786.44,11543.56 8786.1,11544.83 8785.97,11545.32
  region net VCC3.3M: 9113.77,12076.03 9071.52,12100.43 9066.38,12099.05 9061.11,12089.92 9062.26,12085.64 9064.18,12078.46 9097.93,12058.98 9101.24,12057.07 9104.14,12057.84 9114.04,12075
  region net VCC3.3M: 8924.81,11460.09 8967.89,11435.22 8968.3,11433.7 8956.32,11412.96 8955.3,11412.68 8912.72,11437.26 8912.12,11439.49 8923.87,11459.84
  region net 5V: 10595.83,12199.69 10560.54,12138.58 10570.52,12101.35 10547.45,12061.38 10547.93,12059.58 10566.84,12048.66 10568.31,12049.06 10591.08,12088.5 10590.36,12091.19 10585.9,12106.28 10597.04,12125.08 10637.06,12135.46 11004.73,11923.18 11009.34,11905.98 11001.5,11892.4 11000.65,11890.94 10999.76,11889.38 11011.6,11845.18 10988.77,11805.64 10988.99,11804.84 11008.85,11793.37 11009.42,11793.53 11032.57,11833.62 11027.32,11850.07 11061.79,11909.78 11050.3,11954.09 11031.53,11964.78 10887.67,12047.84
  region net "": 3922.17,10683.49 3922.51,10683.99 3943.34,10720.17 3939.63,10734.05 3906.88,10752.95 3903.41,10752.02 3864.15,10683.49

## Silkscreen, mask and mechanical layers (free items; w line width, h text height)
Top Silkscreen Layer:
  text "mm" at 3492.58,11998.07 h120.42
  text "5" at 5327.22,11951.66 h135.94
  text "7" at 6116.06,11951.66 h135.94
  text "2" at 4149.11,11950.94 h135.94
  text "3" at 4539.73,11950.94 h135.94
  text "4" at 4933.16,11950.94 h135.94
  text "6" at 5722.08,11950.94 h135.94
  text "8" at 6511.64,11950.94 h135.94
  text "9" at 6907.22,11950.94 h135.94
  text "20" at 11173.85,11950.94 h135.94
  text "22" at 11967.56,11950.94 h135.94
  text "23" at 12360.2,11950.94 h135.94
  text "24" at 12753.02,11950.94 h135.94
  text "25" at 13149.11,11950.94 h135.94
  text "26" at 13541.93,11950.94 h135.94
  text "27" at 13936.2,11950.94 h135.94
  text "28" at 14329.38,11950.94 h135.94
  text "29" at 14722.56,11950.94 h135.94
  text "30" at 15117.2,11950.94 h135.94
  text "1" at 3762.22,11950.21 h135.94
  text "10" at 7242.56,11950.21 h135.94
  text "11" at 7637.05,11950.21 h135.94
  text "12" at 8025.36,11950.21 h135.94
  text "13" at 8418.22,11950.21 h135.94
  text "14" at 8811.25,11950.21 h135.94
  text "15" at 9207.56,11950.21 h135.94
  text "16" at 9598.78,11950.21 h135.94
  text "17" at 9991.46,11950.21 h135.94
  text "18" at 10383.04,11950.21 h135.94
  text "19" at 10774.63,11950.21 h135.94
  text "21" at 11573.8,11950.21 h135.94
  text "SOT363" at 12524.03,11827.85 h29.2
  text "SOT23-6" at 12203.12,11826.85 h29.2
  text "SOT563-6" at 12758.53,11826.33 h29.2
  text "QFN-28" at 7629.21,11814.73 h53.52
  text "SOT223" at 13122.4,11805.16 h29.2
  text "D50" at 9447.47,11796.97 h38.33
  text "D60" at 9754.47,11795.97 h38.33
  text "2*2" at 4720.38,11793.34 h51.1
  text "BGA-36" at 8371.21,11792.73 h53.52
  text "BGA-61" at 8063.21,11791.73 h53.52
  text "4*6" at 5349.38,11791.34 h51.1
  text "BGA-48" at 8682.21,11790.73 h53.52
  text "D80" at 10124.37,11791.26 h38.33
  text "3*3" at 4993.38,11790.34 h51.1
  text "4*4" at 5726.38,11788.34 h51.1
  text "EDGE" at 14026.05,11782.69 h29.2
  text "D100" at 10504.46,11780.36 h38.33
  text "SOD-323" at 6277.49,11765.2 h66.9
  text "2010" at 7188.99,11762.2 h66.9
  text "L1.1-W0.6" at 11536.37,11727.97 h38.33
  text "2016" at 14768.87,11722.85 h29.2
  text "1612" at 14552.97,11708.54 h29.2
  text "D-PAK" at 13489.69,11690.25 h29.2
  text "SOD-123" at 6276.49,11650.2 h66.9
  text "L1.6-W0.8" at 11529.17,11627.97 h38.33
  text "1206" at 7183.99,11601.2 h66.9
  text "SOT723" at 12784.53,11595.2 h29.2
  text "SOT23" at 12236.44,11593.85 h29.2
  text "SOT323" at 12535.57,11593.85 h29.2
  text "0603" at 14011.23,11584.1 h29.2
  text "LQFP-64" at 8060.34,11540.73 h53.52
  text "RLC" at 6221.78,11536.13 h102.2 r90
  text "SMA" at 6277.82,11501.2 h66.9
  text "QFN-20" at 7629.21,11494.73 h53.52
  text "L2.0-W1.3" at 11528.37,11491.97 h38.33
  text "2012" at 14543.05,11471.85 h29.2
  text "0805" at 7186.99,11466.2 h66.9
  text "3215" at 14767.97,11463.74 h29.2
  text "BGA-121" at 8584.34,11442.73 h53.52
  text "TH D100" at 9435.74,11432.97 h38.33
  text "DUAL" at 14022.01,11390.51 h29.2
  text "XSOP16" at 12668.41,11376.52 h29.2
  text "TH D80" at 9918.42,11355.97 h38.33
  text "SOO8" at 12250.92,11350.85 h29.2
  text "LFPAK B" at 13113.77,11350.85 h29.2
  text "0603" at 7186.99,11336.2 h66.9
  text "ICs" at 12129.54,11331.82 h117.54 r90
  text "SMB" at 6272.82,11331.2 h66.9
  text "L4.5-W3.2" at 11520.37,11318.97 h38.33
  text "12*12" at 4462.89,11306.34 h51.1
  text "TH D60" at 10332.42,11283.97 h38.33
  text "mm*mm" at 4244.67,11277.69 h135.94 r90
  text "10*10" at 4959.89,11263.34 h51.1
  text "HC49S" at 14637.69,11257.85 h29.2
  text "TH D50" at 10665.42,11239.97 h38.33
  text "LEDs" at 13909.54,11235.66 h117.54 r90
  text "8*8" at 5409.38,11230.34 h51.1
  text "0402" at 7185.99,11229.2 h66.9
  text "1210" at 14021.5,11221.85 h29.2
  text "Caps" at 9345.54,11212.66 h117.54 r90
  text "QFN-16" at 7632.21,11207.73 h53.52
  text "6*6" at 5749.38,11197.34 h51.1
  text "Chips" at 7535.54,11185.5 h117.54 r90
  text "0201" at 7185.99,11123.2 h66.9
  text "L4.8-W3.3" at 11519.37,11116.97 h38.33
  text "SMC" at 6269.82,11107.2 h66.9
  text "Crystals" at 14361.54,11067.01 h117.54 r90
  text "01005" at 7148.15,11029.2 h66.9
  text "Inductors" at 4115.54,11023.85 h117.54 r90
  text "Polarized" at 9187.54,11009.85 h117.54 r90
  text "Diode&" at 6215.78,10995.67 h102.2 r90
  text "FaithRuler" at 15258.83,10987.17 h178.4 r90
  text "3" at 6360.99,10832.03 h135.94
  text "5" at 8364.74,10832.03 h135.94
  text "6" at 9365.22,10832.03 h135.94
  text "7" at 10364.82,10832.03 h135.94
  text "1" at 4367.22,10830.94 h135.94
  text "2" at 5362.24,10830.94 h135.94
  text "4" at 7362.55,10830.94 h135.94
  text "9" at 12367.22,10830.94 h135.94
  text "10" at 13302.56,10830.94 h135.94
  text "11" at 14308.15,10829.85 h135.94
  text "12" at 15307.56,10829.85 h135.94
  text "inches" at 3478.78,10823.07 h120.42